# KiCad board migrane.kicad_pcb (continued)
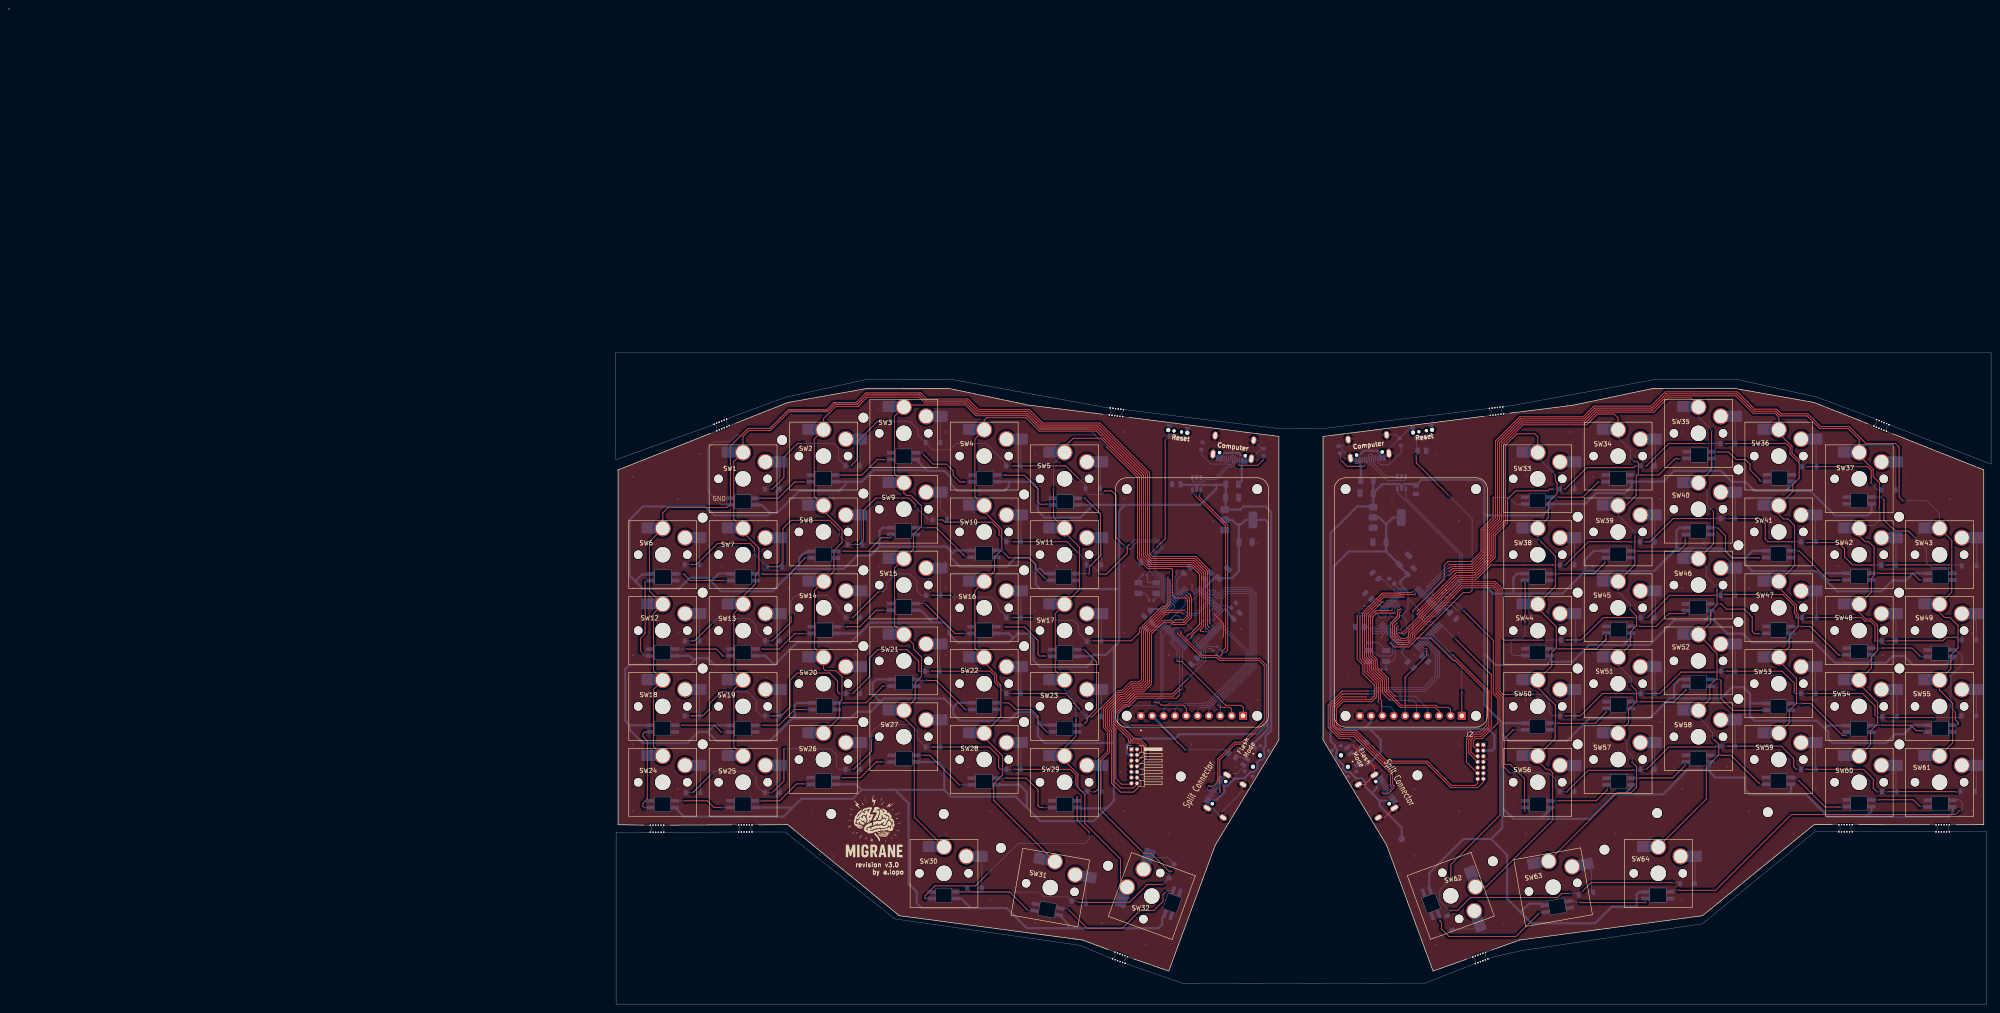
[diagram p0: board, top side]
## Routing (per net, layer and track width the routed paths; a pad name or vN(x,y) marks a point on that pad's centre or on a via; arc(x,y) is an arc through that point) (continued)
Net-(USBC3-CC2): length 8.6
  Bottom w0.2: 170.8,121.76 170.89,121.16 171.51,120.84 173.21,120.84 176.11,123.75 176.11,124.25 175.93,124.43 R8.2
Net-(USBC3-DN1): length 12
  Bottom w0.2: 168.36,121.5 168.61,121 169.11,121 ; 169.11,121 169.36,121.75 ; 169.11,121 172.81,117.3 176.71,117.3 177.01,117.6 U7.3
Net-(USBC3-DP1): length 9.1
  Bottom w0.2: 168.7,122.64 168.75,123.11 169.36,123.29 169.66,122.9 169.66,122.58 ; 169.86,121.75 169.86,121.03 172.69,118.2 U7.1
Net-(U9-VCAP_1): length 2
  Bottom w0.2: 175.84,92.68 174.38,94.09

## Copper pours and planes (outline as drawn; the poured copper is in the pictures)
GND on Top, Bottom: 155.11,4.2 155.11,140.1 312.11,140.5 311.91,4.4
GND on Top, Bottom: -4.89,5.6 -4.89,141.5 152.12,141.9 151.91,5.8

## Text on the board
B.Silkscreen: GND | revision v3.0 / by a.lopo
F.Silkscreen: Flash / Mode | Computer | Reset | Split Connector | GND | revision v3.0 / by a.lopo
